# Altium PCB Hrafn.PcbDoc (part 1 of 5) (continued)
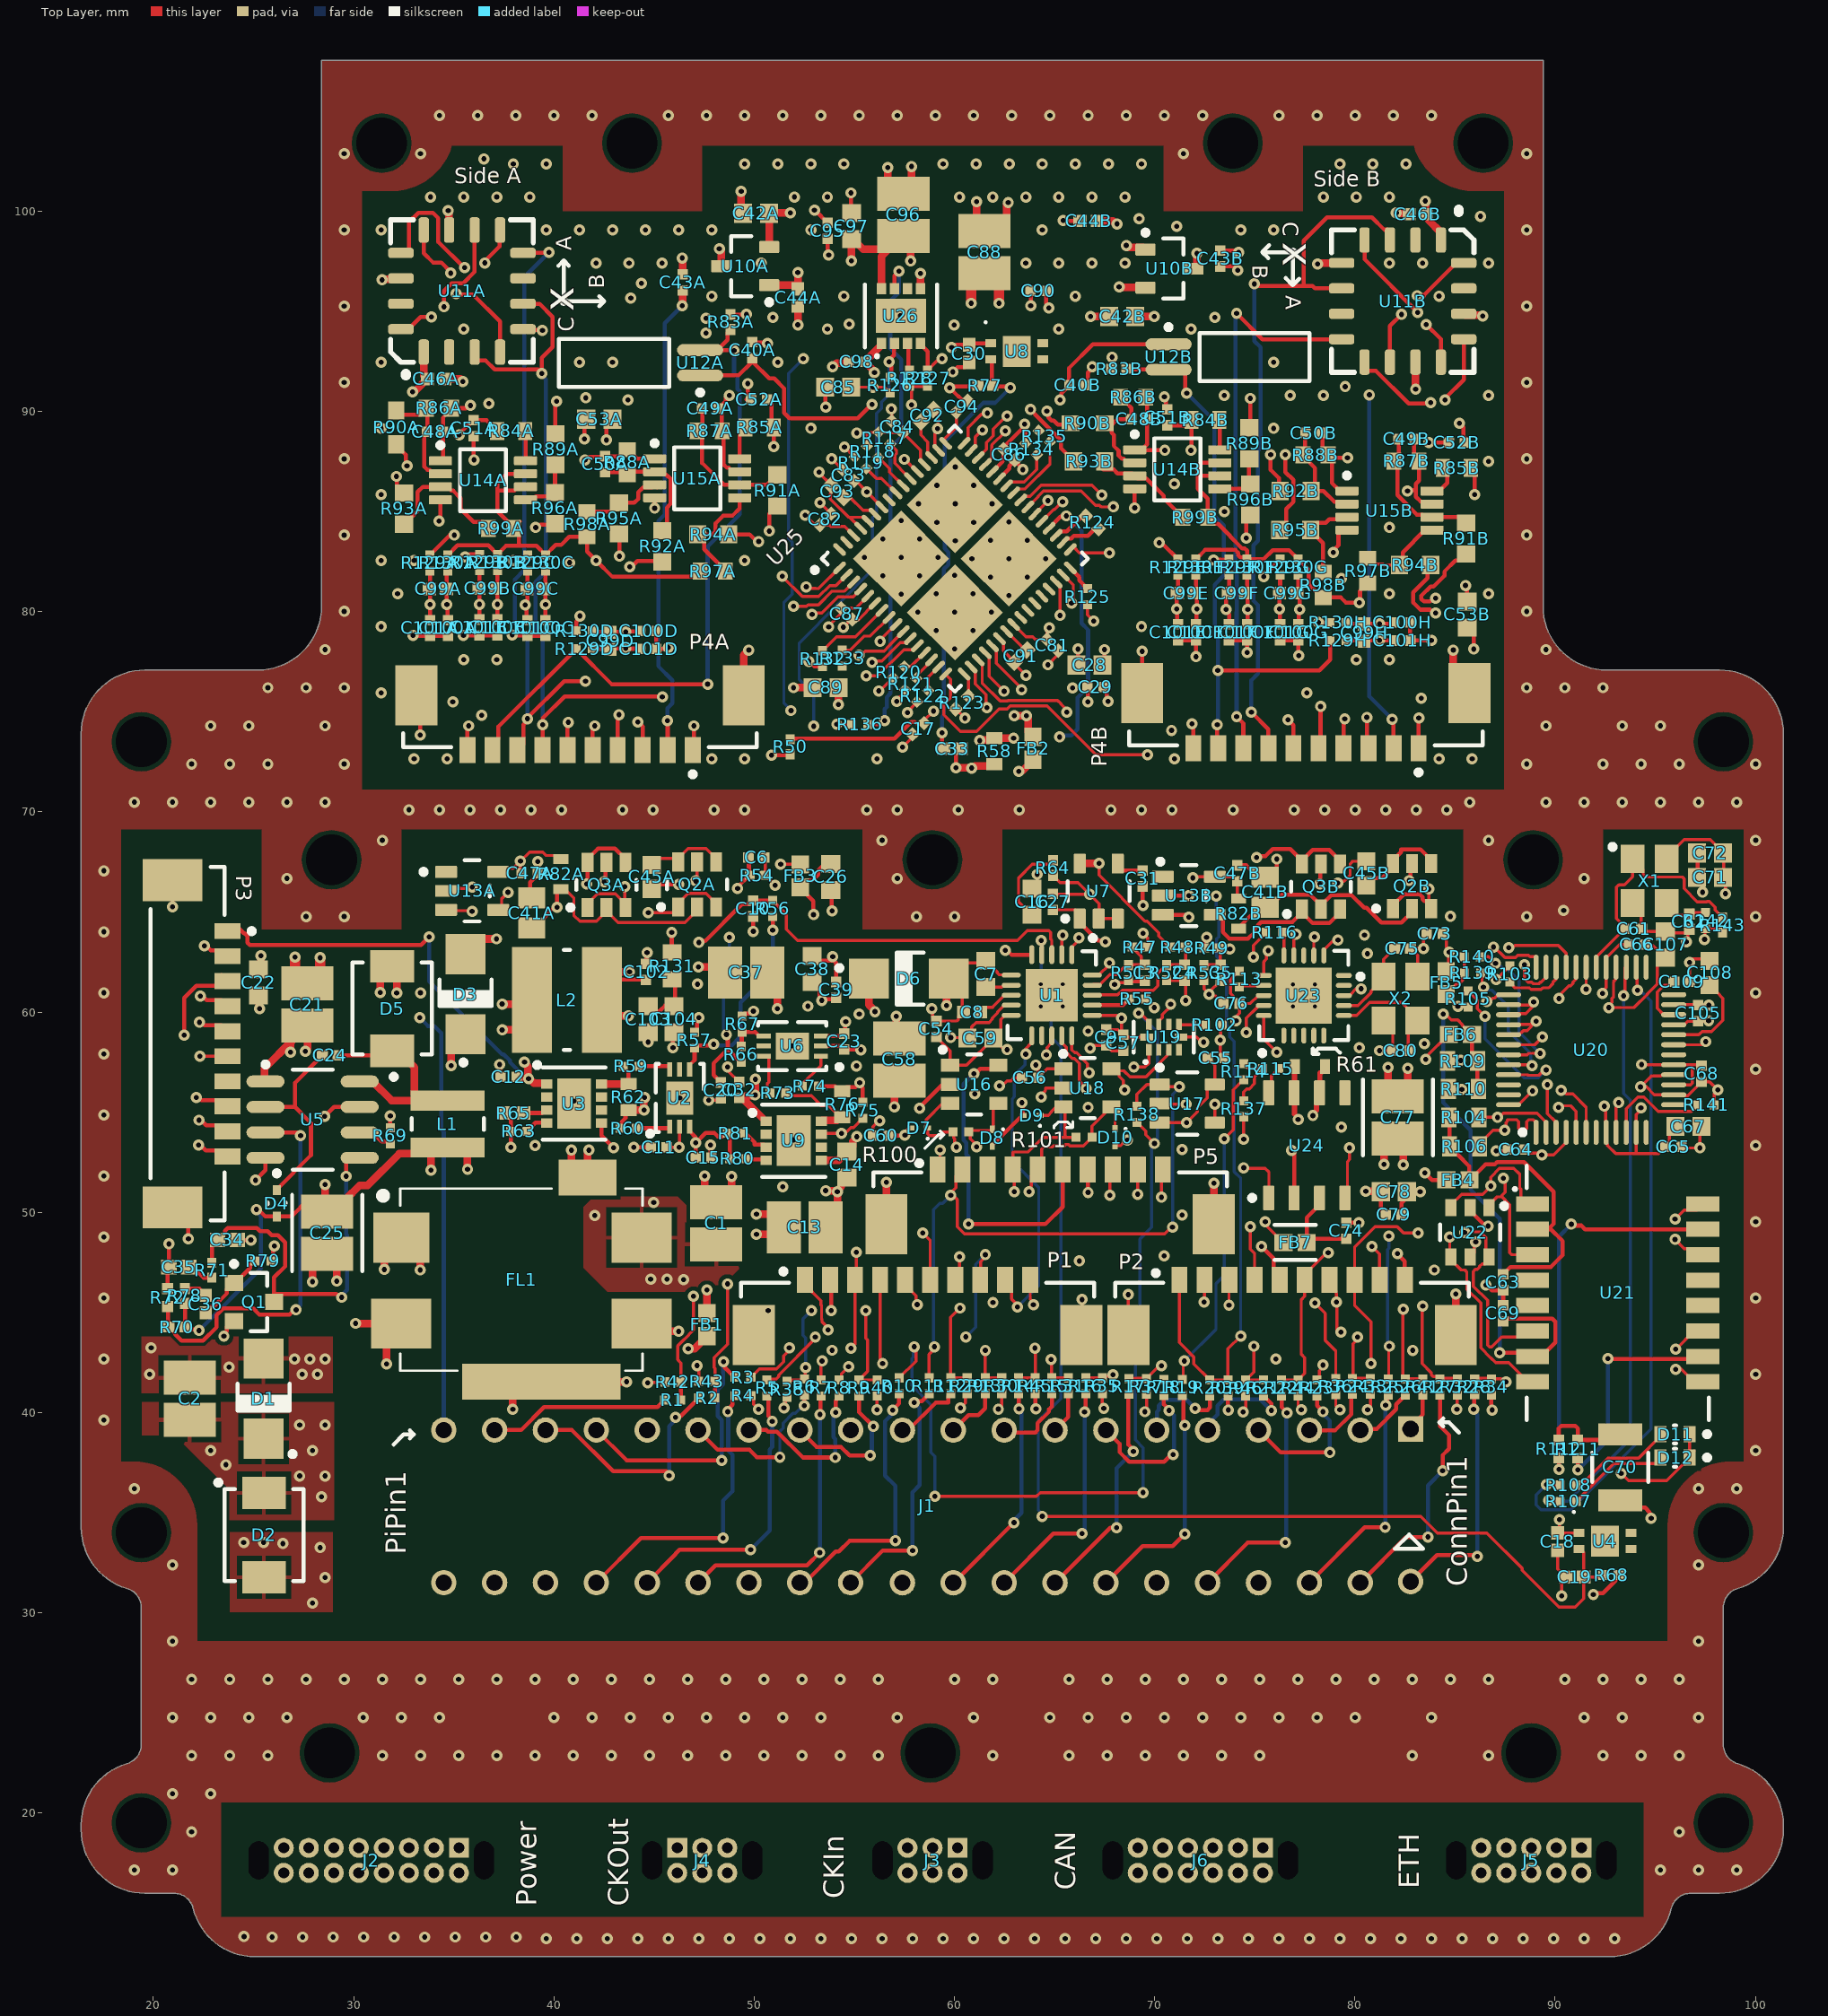
[diagram p0: Top Layer view]
## Components (designator, comment, footprint, x,y, rotation, side; value= is the part's Value field where it differs from the comment) (continued)
C44B "1 uF" CAPC1005X60X30NL05T10 66.7,99.517 r0 top (schematic designator C44)
C45A "GRM188R6YA475KE15D" FP-GRM188-0_2-IPC_C 44.882,66.751 r270 top (schematic designator C45)
C45B "GRM188R6YA475KE15D" FP-GRM188-0_2-IPC_C 80.569,66.929 r90 top (schematic designator C45)
C46A "1 uF" CAPC1005X60X30NL05T10 34.112,91.618 r180 top (schematic designator C46)
C46B "1 uF" CAPC1005X60X30NL05T10 83.134,99.847 r0 top (schematic designator C46)
C47A "0.1 uF" CAPC0402(1005)60_L 38.792,66.929 r180 top value=100nF (schematic designator C47)
C47B "0.1 uF" CAPC0402(1005)60_L 74.117,66.929 r270 top value=100nF (schematic designator C47)
C48A "C0402C471F5GACTU" FP-C0402-BB-MFG 34.067,88.981 r0 top value="470 pF" (schematic designator C48)
C48B "C0402C471F5GACTU" FP-C0402-BB-MFG 69.228,89.608 r0 top value="470 pF" (schematic designator C48)
C49A "C0402C471F5GACTU" FP-C0402-BB-MFG 47.803,90.145 r0 top value="470 pF" (schematic designator C49)
C49B "C0402C471F5GACTU" FP-C0402-BB-MFG 82.572,88.615 r0 top value="470 pF" (schematic designator C49)
C50A "C0402C471F5GACTU" FP-C0402-BB-MFG 42.556,87.36 r90 top value="470 pF" (schematic designator C50)
C50B "C0402C471F5GACTU" FP-C0402-BB-MFG 77.933,88.926 r0 top value="470 pF" (schematic designator C50)
C51A "0.1 uF" CAPC0402(1005)60_L 35.996,89.157 r90 top value=100nF (schematic designator C51)
C51B "0.1 uF" CAPC0402(1005)60_L 70.628,89.708 r270 top value=100nF (schematic designator C51)
C52A "0.1 uF" CAPC0402(1005)60_L 50.246,90.6 r0 top value=100nF (schematic designator C52)
C52B "0.1 uF" CAPC0402(1005)60_L 85.09,88.443 r0 top value=100nF (schematic designator C52)
C53A "EMK107BBJ106MA-T" CAPC1608X100X35LL20T25 42.266,89.611 r180 top (schematic designator C53)
C53B "EMK107BBJ106MA-T" CAPC1608X100X35LL20T25 85.606,79.858 r270 top (schematic designator C53)
C54 "0.1 uF" CAPC0402(1005)60_L 59.1,59.15 r270 top value=100nF
C55 "0.1 uF" CAPC0402(1005)60_L 73.05,57.709 r180 top value=100nF
C56 "0.1 uF" CAPC0402(1005)60_L 63.779,56.718 r0 top value=100nF
C57 "0.1 uF" CAPC0402(1005)60_L 68.428,58.471 r270 top value=100nF
C58 "GRT32EC81C476ME13L" FP-GRT32E-0_3-IPC_C 57.252,57.633 r270 top
C59 "EMK107BBJ106MA-T" CAPC1608X100X35LL20T25 61.29,58.699 r0 top
C60 "0.1 uF" CAPC0402(1005)60_L 56.327,53.827 r180 top value=100nF
C61 "GRM1555C1H180JA01D" CAPC1005X55X25LL05T10 93.929,64.16 r180 top
C62 "GRM1555C1H180JA01D" CAPC1005X55X25LL05T10 96.698,64.516 r270 top
C63 "0.1 uF" CAPC0402(1005)60_L 87.401,46.507 r90 top value=100nF
C64 "0.1 uF" CAPC0402(1005)60_L 88.036,53.137 r0 top value=100nF
C65 "0.1 uF" CAPC0402(1005)60_L 95.91,53.264 r180 top value=100nF
C66 "0.1 uF" CAPC0402(1005)60_L 94.082,63.373 r180 top value=100nF
C67 "EMK107BBJ106MA-T" CAPC1608X100X35LL20T25 96.647,54.28 r0 top
C68 "0.1 uF" CAPC0402(1005)60_L 97.307,56.921 r90 top value=100nF
C69 "0.1 uF" CAPC0402(1005)60_L 87.401,44.958 r270 top value=100nF
C70 "2.2nF" FP-CGA6P-MFG 93.243,37.262 r270 top
C71 "EMK107BBJ106MA-T" CAPC1608X100X35LL20T25 97.739,66.726 r180 top
C72 "EMK107BBJ106MA-T" CAPC1608X100X35LL20T25 97.739,67.945 r180 top
C73 "0.1 uF" CAPC0402(1005)60_L 83.984,63.913 r0 top value=100nF
C74 "0.1 uF" CAPC0402(1005)60_L 79.578,49.073 r270 top value=100nF
C75 "GRM1555C1H180JA01D" CAPC1005X55X25LL05T10 82.378,63.173 r180 top
C76 "0.1 uF" CAPC0402(1005)60_L 73.837,60.427 r0 top value=100nF
C77 "GRT32EC81C476ME13L" FP-GRT32E-0_3-IPC_C 82.144,54.737 r90 top
C78 "EMK107BBJ106MA-T" CAPC1608X100X35LL20T25 81.947,51.027 r180 top
C79 "0.1 uF" CAPC0402(1005)60_L 81.934,49.882 r180 top value=100nF
C80 "GRM1555C1H180JA01D" CAPC1005X55X25LL05T10 82.278,58.073 r0 top
C81 "0.1 uF" CAPC0402(1005)60_L 64.903,78.327 r135 top value=100nF
C82 "0.1 uF" CAPC0402(1005)60_L 53.563,84.604 r225 top value=100nF
C83 "0.1 uF" CAPC0402(1005)60_L 54.712,86.817 r315 top value=100nF
C84 "0.1 uF" CAPC0402(1005)60_L 57.15,89.23 r315 top value=100nF
C85 "EMK107BBJ106MA-T" CAPC1608X100X35LL20T25 54.204,91.211 r0 top
C86 "0.1 uF" CAPC0402(1005)60_L 62.731,87.838 r315 top value=100nF
C87 "0.1 uF" CAPC0402(1005)60_L 54.623,79.886 r315 top value=100nF
C88 "GRT32EC81C476ME13L" FP-GRT32E-0_3-IPC_C 61.5,97.95 r90 top
C89 "EMK107BBJ106MA-T" CAPC1608X100X35LL20T25 53.569,76.2 r180 top
C90 "0.1 uF" CAPC0402(1005)60_L 64.2,96.025 r180 top value=100nF
C91 "1 uF" CAPC1005X60X30NL05T10 63.313,77.779 r45 top
C92 "1 uF" CAPC1005X60X30NL05T10 58.649,89.789 r225 top
C93 "1 uF" CAPC1005X60X30NL05T10 54.163,86.004 r315 top
C94 "0.1 uF" CAPC0402(1005)60_L 60.376,90.246 r225 top value=100nF
C95 "0.1 uF" CAPC0402(1005)60_L 53.67,99.016 r270 top value=100nF
C96 "GRT32EC81C476ME13L" FP-GRT32E-0_3-IPC_C 57.455,99.822 r90 top
C97 "EMK107BBJ106MA-T" CAPC1608X100X35LL20T25 54.861,99.252 r270 top
C98 "0.1 uF" CAPC0402(1005)60_L 55.128,92.481 r0 top value=100nF
C99A "1 uF" CAPC1005X60X30NL05T10 34.209,81.131 r180 top (schematic designator C99)
C99B "1 uF" CAPC1005X60X30NL05T10 36.684,81.157 r180 top (schematic designator C99)
C99C "1 uF" CAPC1005X60X30NL05T10 39.084,81.131 r180 top (schematic designator C99)
C99D "1 uF" CAPC1005X60X30NL05T10 42.818,78.541 r270 top (schematic designator C99)
C99E "1 uF" CAPC1005X60X30NL05T10 71.561,80.921 r180 top (schematic designator C99)
C99F "1 uF" CAPC1005X60X30NL05T10 74.113,80.921 r180 top (schematic designator C99)
C99G "1 uF" CAPC1005X60X30NL05T10 76.666,80.921 r180 top (schematic designator C99)
C99H "1 uF" CAPC1005X60X30NL05T10 80.461,78.955 r270 top (schematic designator C99)
C100A "0.1 uF" CAPC0402(1005)60_L 34.709,79.18 r90 top value=100nF (schematic designator C100)
C100B "0.1 uF" CAPC0402(1005)60_L 37.184,79.206 r90 top value=100nF (schematic designator C100)
C100C "0.1 uF" CAPC0402(1005)60_L 39.584,79.18 r90 top value=100nF (schematic designator C100)
C100D "0.1 uF" CAPC0402(1005)60_L 44.718,79.041 r180 top value=100nF (schematic designator C100)
C100E "0.1 uF" CAPC0402(1005)60_L 72.061,78.97 r90 top value=100nF (schematic designator C100)
C100F "0.1 uF" CAPC0402(1005)60_L 74.613,78.97 r90 top value=100nF (schematic designator C100)
C100G "0.1 uF" CAPC0402(1005)60_L 77.166,78.97 r90 top value=100nF (schematic designator C100)
C100H "0.1 uF" CAPC0402(1005)60_L 82.361,79.455 r180 top value=100nF (schematic designator C100)
C101A "0.1 uF" CAPC0402(1005)60_L 33.809,79.18 r90 top value=100nF (schematic designator C101)
C101B "0.1 uF" CAPC0402(1005)60_L 36.284,79.206 r90 top value=100nF (schematic designator C101)
C101C "0.1 uF" CAPC0402(1005)60_L 38.684,79.18 r90 top value=100nF (schematic designator C101)
C101D "0.1 uF" CAPC0402(1005)60_L 44.718,78.141 r180 top value=100nF (schematic designator C101)
C101E "0.1 uF" CAPC0402(1005)60_L 71.161,78.97 r90 top value=100nF (schematic designator C101)
C101F "0.1 uF" CAPC0402(1005)60_L 73.713,78.97 r90 top value=100nF (schematic designator C101)
C101G "0.1 uF" CAPC0402(1005)60_L 76.266,78.97 r90 top value=100nF (schematic designator C101)
C101H "0.1 uF" CAPC0402(1005)60_L 82.361,78.555 r180 top value=100nF (schematic designator C101)
C102 "0.1 uF" CAPC0402(1005)60_L 44.6,62.005 r270 top value=100nF
C103 "EMK107BBJ106MA-T" CAPC1608X100X35LL20T25 44.704,59.639 r270 top
C104 "EMK107BBJ106MA-T" CAPC1608X100X35LL20T25 46,59.646 r270 top
C105 "0.1 uF" CAPC0402(1005)60_L 97.13,59.944 r270 top value=100nF
C107 "EMK107BBJ106MA-T" CAPC1608X100X35LL20T25 95.504,63.373 r90 top
C108 "GRM188R6YA475KE15D" FP-GRM188-0_2-IPC_C 97.714,61.951 r90 top
C109 "GRM155R71E103KA01D" CAPC1005X55X25LL05T10 96.317,61.519 r180 top
D1 "Vz=5.6V nom" ONSC-SMA-2-403D-02_F_V 25.502,40.691 r90 top
D2 "STPS3L60U" FP-SMB-MFG 25.525,33.875 r270 top
D3 "Vz=5.6V nom" ONSC-SMA-2-403D-02_F_V 35.581,60.892 r90 top
D4 "1N914BWT" FP-502-01-MFG 26.162,50.444 r270 top value=4pF
D5 "STPS3L60U" FP-SMB-MFG 31.925,60.175 r90 top
D6 "Vz=3.9V nom" ONSC-SMA-2-403D-02_F_V 57.725,61.675 r0 top
D7 "ESD9R3.3ST5G" ONSC-SOD-923-2-514AB-01_V 58.242,54.204 r180 top
D8 "ESD9R3.3ST5G" ONSC-SOD-923-2-514AB-01_V 61.9,53.721 r270 top
D9 "ESD9R3.3ST5G" ONSC-SOD-923-2-514AB-01_V 63.856,54.839 r180 top
D10 "ESD9R3.3ST5G" ONSC-SOD-923-2-514AB-01_V 68.021,53.746 r270 top
D11 "TLMP1100-GS08" FP-6_541-5056_01-4-MFG 95.987,38.913 r180 top
D12 "TLMP1100-GS08" FP-6_541-5056_01-4-MFG 95.987,37.744 r180 top
FB1 "BLM18PG121SH1D" FP-BLM18-0_15-t0_8-IPC_C 47.641,44.392 r270 top
FB2 "BLM18PG121SH1D" FP-BLM18-0_15-t0_8-IPC_C 63.925,73.175 r270 top
FB3 "BLM18PG121SH1D" FP-BLM18-0_15-t0_8-IPC_C 52.3,66.8 r270 top
FB4 "BLM18PG121SH1D" FP-BLM18-0_15-t0_8-IPC_C 85.141,51.613 r180 top
FB5 "BLM18PG121SH1D" FP-BLM18-0_15-t0_8-IPC_C 84.557,61.468 r90 top
FB6 "BLM18PG121SH1D" FP-BLM18-0_15-t0_8-IPC_C 85.268,58.877 r180 top
FB7 "BLM18PG121SH1D" FP-BLM18-0_15-t0_8-IPC_C 77.013,48.489 r0 top
FL1 "BNX028-01L" "FIL_BNX028-01L - small" 38.379,46.634 r0 top
J1 "PiZero" DIP40 34.5,31.5 r90 top
J2 "Gecko_16" GECK16 35.258,18.253 r270 top
J3 "Gecko_6_M" GECK6_M 60.158,18.253 r270 top
J4 "Gecko_6_F" GECK6_F 46.158,17.003 r90 top
J5 "Gecko_10" GECK10-dup 91.308,18.253 r270 top
J6 "Gecko_12" GECK12 75.408,18.253 r270 top
L1 "L" 78438357022 34.696,54.407 r180 top
L2 "74404300047" WE-TPC-4828-MH 40.65,60.605 r0 top
P1 "53398-1071" MOLX-53398-1071_V 58.162,44.877 r180 top
P2 "53398-1071" MOLX-53398-1071_V 76.862,44.877 r180 top
P3 "53398-1071" MOLX-53398-1071_V 21.955,58.416 r90 top
P4A "53398-1071" MOLX-53398-1071_V 41.307,74.826 r0 top (schematic designator P4)
P4B "53398-1071" MOLX-53398-1071_V 77.553,74.922 r0 top (schematic designator P4)
P5 "53398-1071" MOLX-53398-1071_V 64.782,50.396 r180 top
Q1 "MMBT2222ALT3G" ONSC-SOT-23-3-318-08_V 25.025,45.519 r0 top
Q2A "NTGD4167CT1G" ONSC-TSOP-6-318G-02_V 47.151,66.371 r90 top (schematic designator Q2)
Q2B "NTGD4167CT1G" ONSC-TSOP-6-318G-02_V 82.855,66.294 r90 top (schematic designator Q2)
Q3A "NTGD4167CT1G" ONSC-TSOP-6-318G-02_V 42.627,66.345 r90 top (schematic designator Q3)
Q3B "NTGD4167CT1G" ONSC-TSOP-6-318G-02_V 78.305,66.267 r90 top (schematic designator Q3)
R1 "220 Ω" RESC1005X40X25LL05T05 45.927,40.627 r180 top
R2 "220 Ω" RESC1005X40X25LL05T05 47.637,40.727 r180 top
R3 "220 Ω" RESC1005X40X25LL05T05 49.437,41.752 r180 top
R4 "220 Ω" RESC1005X40X25LL05T05 49.437,40.852 r0 top
R5 "220 Ω" RESC1005X40X25LL05T05 50.637,41.227 r90 top
R6 "220 Ω" RESC1005X40X25LL05T05 52.512,41.276 r270 top
R7 "220 Ω" RESC1005X40X25LL05T05 53.337,41.227 r90 top
R8 "220 Ω" RESC1005X40X25LL05T05 54.237,41.227 r270 top
R9 "220 Ω" RESC1005X40X25LL05T05 55.237,41.227 r270 top
R10 "220 Ω" RESC1005X40X25LL05T05 57.237,41.327 r90 top
R11 "220 Ω" RESC1005X40X25LL05T05 58.737,41.327 r90 top
R12 "220 Ω" RESC1005X40X25LL05T05 59.812,41.327 r270 top
R13 "220 Ω" RESC1005X40X25LL05T05 61.537,41.327 r270 top
R14 "220 Ω" RESC1005X40X25LL05T05 63.212,41.327 r90 top
R15 "220 Ω" RESC1005X40X25LL05T05 64.862,41.327 r270 top
R16 "220 Ω" RESC1005X40X25LL05T05 66.562,41.327 r90 top
R17 "220 Ω" RESC1005X40X25LL05T05 68.707,41.3 r90 top
R18 "220 Ω" RESC1005X40X25LL05T05 70.46,41.25 r270 top
R19 "220 Ω" RESC1005X40X25LL05T05 71.374,41.25 r90 top
R20 "220 Ω" RESC1005X40X25LL05T05 72.758,41.227 r270 top
R21 "220 Ω" RESC1005X40X25LL05T05 75.437,41.227 r270 top
R22 "220 Ω" RESC1005X40X25LL05T05 76.337,41.227 r90 top
R23 "220 Ω" RESC1005X40X25LL05T05 78.112,41.227 r270 top
R24 "220 Ω" RESC1005X40X25LL05T05 79.883,41.3 r270 top
R25 "220 Ω" RESC1005X40X25LL05T05 81.661,41.275 r90 top
R26 "220 Ω" RESC1005X40X25LL05T05 82.525,41.275 r270 top
R27 "220 Ω" RESC1005X40X25LL05T05 84.252,41.275 r90 top
R28 "220 Ω" RESC1005X40X25LL05T05 85.979,41.281 r90 top
R29 "22kΩ" RESC1005X40X25LL05T05 60.637,41.327 r270 top
R30 "22kΩ" RESC1005X40X25LL05T05 62.362,41.327 r270 top
R31 "22kΩ" RESC1005X40X25LL05T05 65.688,41.327 r90 top
R32 "22kΩ" RESC1005X40X25LL05T05 85.115,41.275 r270 top
R33 "22kΩ" RESC1005X40X25LL05T05 80.772,41.3 r270 top
R34 "22kΩ" RESC1005X40X25LL05T05 86.817,41.275 r90 top
R35 "22kΩ" RESC1005X40X25LL05T05 67.388,41.327 r270 top
R36 "22kΩ" RESC1005X40X25LL05T05 79.045,41.294 r270 top
R37 "22kΩ" RESC1005X40X25LL05T05 69.596,41.3 r270 top
R38 "22kΩ" RESC1005X40X25LL05T05 51.65,41.15 r270 top
R39 "22kΩ" RESC1005X40X25LL05T05 73.658,41.227 r90 top
R40 "22kΩ" RESC1005X40X25LL05T05 56.137,41.227 r270 top
R41 "22kΩ" RESC1005X40X25LL05T05 83.388,41.275 r90 top
R42 "22kΩ" RESC1005X40X25LL05T05 45.937,41.527 r180 top
R43 "22kΩ" RESC1005X40X25LL05T05 47.637,41.552 r180 top
R44 "22kΩ" RESC1005X40X25LL05T05 77.162,41.227 r270 top
R45 "22kΩ" RESC1005X40X25LL05T05 64.037,41.327 r90 top
R46 "22kΩ" RESC1005X40X25LL05T05 74.549,41.218 r270 top
R47 "RC0402FR-0720KL" RESC1005X40X25LL05T10 69.266,63.246 r0 top
R48 "RC0402FR-0720KL" RESC1005X40X25LL05T10 71.145,63.246 r180 top
R49 "RC0402FR-0720KL" RESC1005X40X25LL05T10 72.847,63.195 r180 top
R50 "RC0402FR-0720KL" RESC1005X40X25LL05T10 51.8,73.25 r90 top
R51 "CRCW040210K0FKEDHP" RESC1005X40X25LL05T10 68.691,61.969 r90 top
R52 "CRCW040210K0FKEDHP" RESC1005X40X25LL05T10 70.591,61.969 r90 top
R53 "CRCW040210K0FKEDHP" RESC1005X40X25LL05T10 72.466,61.969 r90 top
R54 "CRCW040210K0FKEDHP" RESC1005X40X25LL05T10 50.15,66.825 r180 top
R55 "22kΩ" RESC1005X40X25LL05T05 69.139,60.655 r0 top
R56 "4.99K" RESC1005X40X25LL05T05 50.925,65.175 r90 top
R57 "4.99K" RESC1005X40X25LL05T05 47.025,58.6 r90 top
R58 "AC0603JR-070RL" RESC1608X55X25LL10T15 62,73.025 r270 top
R59 "ERJ-2RKF1000X" RESC1005X40X25LL05T05 43.858,57.296 r0 top
R60 "ERJ-2RKF1000X" RESC1005X40X25LL05T05 43.705,54.197 r0 top
R61 "R" RESC1608X08L 77.749,57.277 r180 top
R62 "20m" RESC1608X55X25LL10T15 43.73,55.746 r270 top
R63 "22kΩ" RESC1005X40X25LL05T05 38.244,54.044 r0 top
R64 "0.5" RESC1005X40X25LL10T10 64.925,67.2 r90 top
R65 "CRCW0402274KFKED" FP-CRCW0402-e3-IPC_A 37.99,54.959 r0 top
R66 "4.99K" RESC1005X40X25LL05T05 49.352,57.887 r270 top
R67 "4.99K" RESC1005X40X25LL05T05 49.405,59.401 r90 top
R68 "2 kΩ 0.1%" RESC1005X40X25LL10T10 92.812,31.877 r180 top
R69 "220 Ω" RESC1005X40X25LL05T05 31.83,53.82 r270 top
R70 "1.74 kΩ" RESC1005X40X25NL05T10 21.189,44.268 r0 top
R71 "CRCW040210K0FKEDHP" RESC1005X40X25LL05T10 22.919,47.103 r90 top
R72 "1 KOhm" RESC1005X40X25NL05T05 20.706,45.741 r270 top
R73 "ERJ-2RKF1000X" RESC1005X40X25LL05T05 51.181,55.956 r180 top
R74 "ERJ-2RKF1000X" RESC1005X40X25LL05T05 52.805,56.301 r180 top
R75 "CRCW0402100KJNED" RESC1005X40X25LL05T05 55.423,55.093 r90 top
R76 "20m" RESC1608X55X25LL10T15 54.405,55.401 r90 top
R77 "2 kΩ 0.1%" RESC1005X40X25LL10T10 61.544,91.288 r0 top
R78 "2 kΩ 0.1%" RESC1005X40X25LL10T10 21.57,45.817 r90 top
R79 "22kΩ" RESC1005X40X25LL05T05 25.475,47.569 r180 top
R80 "22kΩ" RESC1005X40X25LL05T05 49.174,52.68 r0 top
R81 "ERJ2RKF4703X" RESC1005X40X25LL05T05 49.073,53.95 r0 top
R82A "R" RESC1608X08L 40.352,66.895 r90 top (schematic designator R82)
R82B "R" RESC1608X08L 74.193,64.922 r90 top (schematic designator R82)
R83A "2 kΩ 0.1%" RESC1005X40X25LL10T10 48.819,94.463 r270 top (schematic designator R83)
R83B "2 kΩ 0.1%" RESC1005X40X25LL10T10 68.224,92.126 r0 top (schematic designator R83)
R84A "0" RESC1608X55X25NL10T15 37.866,89.021 r180 top (schematic designator R84)
R84B "0" RESC1608X55X25NL10T15 72.538,89.569 r180 top (schematic designator R84)
R85A "0" RESC1608X55X25NL10T15 50.272,89.203 r0 top (schematic designator R85)
R85B "0" RESC1608X55X25NL10T15 85.09,87.173 r0 top (schematic designator R85)
R86A "249KΩ" RESC1609X55X30LL10T20 34.256,90.16 r0 top (schematic designator R86)
R86B "249KΩ" RESC1609X55X30LL10T20 68.928,90.708 r0 top (schematic designator R86)
R87A "249KΩ" RESC1609X55X30LL10T20 47.777,89.027 r0 top (schematic designator R87)
R87B "249KΩ" RESC1609X55X30LL10T20 82.572,87.515 r0 top (schematic designator R87)
R88A "249KΩ" RESC1609X55X30LL10T20 43.656,87.46 r90 top (schematic designator R88)
R88B "249KΩ" RESC1609X55X30LL10T20 78.033,87.826 r0 top (schematic designator R88)
R89A "4.99KΩ" FP-RT0603-IPC_B 40.081,88.113 r90 top (schematic designator R89)
R89B "4.99KΩ" FP-RT0603-IPC_B 74.728,88.408 r90 top (schematic designator R89)
R90A "4.99KΩ" FP-RT0603-MFG 32.131,89.205 r90 top (schematic designator R90)
R90B "4.99KΩ" FP-RT0603-MFG 66.65,89.408 r0 top (schematic designator R90)
R91A "4.99KΩ" FP-RT0603-IPC_B 51.156,86.055 r90 top (schematic designator R91)
R91B "4.99KΩ" FP-RT0603-IPC_B 85.552,83.649 r90 top (schematic designator R91)
R92A "4.99KΩ" FP-RT0603-IPC_B 45.415,83.261 r90 top (schematic designator R92)
R92B "4.99KΩ" FP-RT0603-IPC_B 77.038,86.03 r0 top (schematic designator R92)
R93A "4.99KΩ" FP-RT0603-IPC_B 32.512,85.141 r270 top (schematic designator R93)
R93B "4.99KΩ" FP-RT0603-IPC_B 66.726,87.503 r0 top (schematic designator R93)
R94A "4.99KΩ" FP-RT0603-IPC_B 47.956,83.86 r180 top (schematic designator R94)
R94B "4.99KΩ" FP-RT0603-IPC_B 83.007,82.321 r180 top (schematic designator R94)
R95A "4.99KΩ" FP-RT0603-IPC_B 43.256,84.66 r90 top (schematic designator R95)
R95B "4.99KΩ" FP-RT0603-IPC_B 77.013,84.074 r0 top (schematic designator R95)
R96A "4.99KΩ" FP-RT0603-IPC_B 40.056,85.166 r90 top (schematic designator R96)
R96B "4.99KΩ" FP-RT0603-IPC_B 74.778,85.598 r90 top (schematic designator R96)
R97A "249KΩ" RESC1609X55X30LL10T20 47.93,82.017 r0 top (schematic designator R97)
R97B "249KΩ" RESC1609X55X30LL10T20 80.645,82.042 r90 top (schematic designator R97)
R98A "249KΩ" RESC1609X55X30LL10T20 41.656,84.36 r90 top (schematic designator R98)
R98B "249KΩ" RESC1609X55X30LL10T20 78.41,81.331 r90 top (schematic designator R98)
R99A "249KΩ" RESC1609X55X30LL10T20 37.356,84.16 r180 top (schematic designator R99)
R99B "249KΩ" RESC1609X55X30LL10T20 72.028,84.708 r180 top (schematic designator R99)
R100 "100 Ohm" RESC1005X40X25LL05T05 60.325,54.026 r180 top
R101 "100 Ohm" RESC1005X40X25LL05T05 66.472,53.746 r180 top
R102 "220 Ω" RESC1005X40X25LL05T05 72.974,59.36 r180 top
R103 "220 Ω" RESC1005X40X25LL05T05 87.732,61.9 r270 top
R104 "CRCW060350R0FKEA" FP-CRCW0603-e3-MFG 85.446,54.737 r180 top
R105 "220 Ω" RESC1005X40X25LL05T05 85.649,60.655 r90 top
R106 "CRCW060350R0FKEA" FP-CRCW0603-e3-MFG 85.471,53.289 r180 top
R107 "ERJ-2GEJ102X" RESC1005X40X25LL05T05 90.653,35.56 r0 top
R108 "ERJ-2GEJ102X" RESC1005X40X25LL05T05 90.653,36.373 r0 top
R109 "CRCW060350R0FKEA" FP-CRCW0603-e3-MFG 85.369,57.556 r0 top
R110 "CRCW060350R0FKEA" FP-CRCW0603-e3-MFG 85.42,56.159 r0 top
R111 "75 Ω" RESC1005X40X25NL05T05 91.125,38.174 r270 top
R112 "75 Ω" RESC1005X40X25NL05T05 90.179,38.177 r270 top
R113 "220 Ω" RESC1005X40X25LL05T05 74.219,61.646 r270 top
R114 "ERJ2GE0R00X" RESC1005X40X25LL05T05 74.447,57.023 r270 top
R115 "22kΩ" RESC1005X40X25LL05T05 75.794,57.175 r180 top
R116 "220 Ω" RESC1005X40X25LL05T05 75.978,63.983 r0 top
R117 "220 Ω" RESC1005X40X25LL05T05 56.503,88.667 r135 top
R118 "220 Ω" RESC1005X40X25LL05T05 55.917,87.99 r135 top
R119 "220 Ω" RESC1005X40X25LL05T05 55.317,87.44 r135 top
R120 "220 Ω" RESC1005X40X25LL05T05 57.213,76.979 r225 top
R121 "220 Ω" RESC1005X40X25LL05T05 57.813,76.379 r225 top
R122 "220 Ω" RESC1005X40X25LL05T05 58.413,75.779 r225 top
R123 "220 Ω" RESC1005X40X25NL05T05 60.378,75.452 r225 top
R124 "220 Ω" RESC1005X40X25NL05T05 66.878,84.455 r315 top
R125 "220 Ω" RESC1005X40X25LL05T05 66.65,80.747 r90 top
R126 "CRCW0402100KJNED" RESC1005X40X25LL05T05 56.794,91.313 r270 top
R127 "22kΩ" RESC1005X40X25LL05T05 58.661,91.652 r90 top
R128 "ERJ2RKF5603X" RESC1005X40X25LL05T05 57.761,91.652 r90 top
R129A "CRCW04023K30JNED" RESC1005X40X25LL05T05 33.809,82.431 r270 top (schematic designator R129)
R129B "CRCW04023K30JNED" RESC1005X40X25LL05T05 36.284,82.457 r270 top (schematic designator R129)
R129C "CRCW04023K30JNED" RESC1005X40X25LL05T05 38.684,82.431 r270 top (schematic designator R129)
R129D "CRCW04023K30JNED" RESC1005X40X25LL05T05 41.518,78.141 r0 top (schematic designator R129)
R129E "CRCW04023K30JNED" RESC1005X40X25LL05T05 71.161,82.221 r270 top (schematic designator R129)
R129F "CRCW04023K30JNED" RESC1005X40X25LL05T05 73.713,82.221 r270 top (schematic designator R129)
R129G "CRCW04023K30JNED" RESC1005X40X25LL05T05 76.266,82.221 r270 top (schematic designator R129)
R129H "CRCW04023K30JNED" RESC1005X40X25LL05T05 79.161,78.555 r0 top (schematic designator R129)
R130A "CRCW04023K30JNED" RESC1005X40X25LL05T05 34.709,82.431 r270 top (schematic designator R130)
R130B "CRCW04023K30JNED" RESC1005X40X25LL05T05 37.184,82.457 r270 top (schematic designator R130)
R130C "CRCW04023K30JNED" RESC1005X40X25LL05T05 39.584,82.431 r270 top (schematic designator R130)
R130D "CRCW04023K30JNED" RESC1005X40X25LL05T05 41.518,79.041 r0 top (schematic designator R130)
R130E "CRCW04023K30JNED" RESC1005X40X25LL05T05 72.061,82.221 r270 top (schematic designator R130)
R130F "CRCW04023K30JNED" RESC1005X40X25LL05T05 74.613,82.221 r270 top (schematic designator R130)
R130G "CRCW04023K30JNED" RESC1005X40X25LL05T05 77.166,82.221 r270 top (schematic designator R130)
R130H "CRCW04023K30JNED" RESC1005X40X25LL05T05 79.161,79.455 r0 top (schematic designator R130)
R131 "0.22 Ω" RESC1608X55X30NL15T15 45.9,62.305 r270 top
R132 "ERJ2GE0R00X" RESC1005X40X25LL05T05 53.416,77.648 r90 top
R133 "ERJ2GE0R00X" RESC1005X40X25LL05T05 54.407,77.673 r90 top
R134 "ERJ2GE0R00X" RESC1005X40X25LL05T05 63.83,88.113 r315 top
R135 "ERJ2GE0R00X" RESC1005X40X25LL05T05 64.487,88.751 r315 top
R136 "CRCW0402100KJNED" RESC1005X40X25LL05T05 55.277,74.371 r180 top
R137 "ERJ2GE0R00X" RESC1005X40X25LL05T05 74.447,55.169 r90 top
R138 "ERJ2GE0R00X" RESC1005X40X25LL05T05 69.113,54.889 r90 top
R139 "220 Ω" RESC1005X40X25LL05T05 85.877,61.951 r0 top
R140 "220 Ω" RESC1005X40X25LL05T05 85.852,62.763 r0 top
R141 "ERJ-2RKF1212X" RESC1005X40X25LL05T05 97.536,55.372 r180 top
R142 "ERJ2GE0R00X" RESC1005X40X25LL05T05 97.511,64.567 r90 top
R143 "AC0402FR-071ML" RESC1005X37X25LL05T10 98.349,64.338 r270 top
U1 "AD7298BCPZ" CP-20-8_M 64.862,60.84 r270 top
U2 "LT6105" LT6105 46.279,55.702 r90 top
U3 "FPF2701MPX" FP-511DD-MFG 41.009,55.429 r0 top
U4 "AD590J" DFN260P300X75-4N 92.486,33.581 r0 top
U5 "LT1959CS8#PBF" LT-S8-8_L 27.95,54.625 r0 top
U6 "LT6105" LT6105 51.905,58.301 r180 top
U7 "TPS79133DBVR" DBV0005A_N 67.208,66.04 r90 top
U8 "AD590J" DFN260P300X75-4N 63.116,93.001 r0 top
U9 "FPF2701MPX" FP-511DD-MFG 51.975,53.576 r0 top
U10A "REF3040AIDBZT" DBZ0003A_N 49.549,97.257 r180 top (schematic designator U10)
U10B "REF3040AIDBZT" DBZ0003A_N 70.739,97.13 r0 top (schematic designator U10)
U11A "HMC1053" LCC16 33.503,92.964 r90 top (schematic designator U11)
U11B "HMC1053" LCC16 84.291,98.559 r270 top (schematic designator U11)
U12A "AD590L/M" 2-FLATPAK 43.002,92.431 r180 top (schematic designator U12)
U12B "AD590L/M" 2-FLATPAK 74.993,92.722 r0 top (schematic designator U12)
U13A "SN74AHC1G04DBVR" FP-DBV0005A-MFG 35.916,66.051 r0 top (schematic designator U13)
U13B "SN74AHC1G04DBVR" FP-DBV0005A-MFG 71.704,65.811 r0 top (schematic designator U13)
U14A "LMP2022MM/NOPB" DGK0008A_L 36.456,86.56 r0 top (schematic designator U14)
U14B "LMP2022MM/NOPB" DGK0008A_L 71.128,87.108 r0 top (schematic designator U14)
U15A "LMP2022MM/NOPB" DGK0008A_L 47.156,86.66 r0 top (schematic designator U15)
U15B "LMP2022MM/NOPB" DGK0008A_L 81.727,85.049 r0 top (schematic designator U15)
U16 "DS90LT012AQMFE/NOPB" MF05A_L 60.985,56.388 r0 top
U17 "TPS3820-33DBVT" DBV0005A_N 71.627,55.427 r0 top
U18 "DS90LT012AQMFE/NOPB" MF05A_L 66.65,56.21 r0 top
U19 "TMUX136RSER" FP-RSE0010A-MFG 70.46,58.75 r90 top
U20 "W5500" TSQFP50P900X900X160-48L 91.796,58.115 r90 top
U21 "HX1188FNL" PULS-HX1188FNL-SMT-16_V 93.123,45.974 r270 top
U22 "CM1224-04SO" ONSC-SOT23-6-527AJ_V 85.75,48.997 r270 top
U23 "MCP2515T-I/ML" QFN-ML20_N 77.447,60.827 r90 top
U24 "SN65HVD230DR" D0008A_L 77.597,53.34 r90 top
U25 "AD7779" AD7779 60.025,82.645 r45 top
U26 "FPF2701MPX" FP-511DD-MFG 57.328,94.767 r90 top
X1 "ABM8G-25.000MHZ-18-D2Y-T" ABRA-ABM8G_V 94.717,66.548 r270 top
X2 "ABM8G-25.000MHZ-18-D2Y-T" ABRA-ABM8G_V 82.278,60.673 r270 top

## Footprints (in the part's own frame and the unit in brackets; to place one, negate y for a bottom-side part, rotate by r counter-clockwise, add the part's x,y. Pads: shape width x height; smd on the part's side, far side on the other; paste and mask are expansions set on the pad)
2-FLATPAK [mm] "CFP, 4-Leads, Body 2.36x6.10mm (max), Pitch 1.27mm, IPC Medium Density"
  oval 2.3x0.6 smd: 1(-4.3,0.635) 2(-4.3,-0.635)
  silkscreen extent -4.43,-1.2 2.75,1.61, body extent -3.05,-1.18 3.05,1.18, height 1.27
78438357022 [mm]
  rect 3.7x1 smd: 0(0,-1.175) 1(0,1.175)
  silkscreen extent -1.8,-0.3 1.8,0.3, body extent -2.05,-2.05 2.05,2.02, height 2.45
ABRA-ABM8G_V [mm] "SMD, 4-Leads, Body 2.5x3.2mm, Pitch 2.2mm"
  rect 1.4x1.2 smd: 1(-1.1,-0.85) 2(1.1,-0.85) 3(1.1,0.85) 4(-1.1,0.85)
  silkscreen extent -1.83,-1.98 -1.58,-1.73, body extent -1.6,-1.24 1.6,1.24, height 0.99
AD7779 [mm] "QFN, 64-Leads, Body 9.00x9.00mm, Pitch 0.50mm, Thermal Pad 7.55x7.55mm, IPC Medium Density"
  rect 3.4x3.4 smd: 0(-1.9,1.9) 0(-1.9,-1.9) 0(1.9,-1.9) 0(1.9,1.9)
  oval 0.8x0.25 smd: 1(-4.4,3.75) 2(-4.4,3.25) 3(-4.4,2.75) 4(-4.4,2.25) 5(-4.4,1.75) 6(-4.4,1.25) 7(-4.4,0.75) 8(-4.4,0.25) 9(-4.4,-0.25) 10(-4.4,-0.75) 11(-4.4,-1.25) 12(-4.4,-1.75) 13(-4.4,-2.25) 14(-4.4,-2.75) 15(-4.4,-3.25) 16(-4.4,-3.75) 33(4.4,-3.75) 34(4.4,-3.25) 35(4.4,-2.75) 36(4.4,-2.25) 37(4.4,-1.75) 38(4.4,-1.25) 39(4.4,-0.75) 40(4.4,-0.25) 41(4.4,0.25) 42(4.4,0.75) 43(4.4,1.25) 44(4.4,1.75) 45(4.4,2.25) 46(4.4,2.75) 47(4.4,3.25) 48(4.4,3.75)
  oval 0.25x0.8 smd: 17(-3.75,-4.4) 18(-3.25,-4.4) 19(-2.75,-4.4) 20(-2.25,-4.4) 21(-1.75,-4.4) 22(-1.25,-4.4) 23(-0.75,-4.4) 24(-0.25,-4.4) 25(0.25,-4.4) 26(0.75,-4.4) 27(1.25,-4.4) 28(1.75,-4.4) 29(2.25,-4.4) 30(2.75,-4.4) 31(3.25,-4.4) 32(3.75,-4.4) 49(3.75,4.4) 50(3.25,4.4) 51(2.75,4.4) 52(2.25,4.4) 53(1.75,4.4) 54(1.25,4.4) 55(0.75,4.4) 56(0.25,4.4) 57(-0.25,4.4) 58(-0.75,4.4) 59(-1.25,4.4) 60(-1.75,4.4) 61(-2.25,4.4) 62(-2.75,4.4) 63(-3.25,4.4) 64(-3.75,4.4)
  silkscreen extent -5.47,-4.7 4.7,4.7, body extent -4.55,-4.55 4.55,4.55, height 0.8
CAPC0402(1005)60_L [mm] "Chip Capacitor, Body 1.0x0.5mm, Height 0.6mm, IPC High Density"
  rect 0.52x0.52 smd: 1(-0.4,0) 2(0.4,0)
  body extent -0.55,-0.3 0.55,0.3, height 0.6
CAPC1005X55X25LL05T10 [mm] "Chip Capacitor, 2-Leads, Body 1.00x0.50mm, IPC High Density"
  rect 0.56x0.52 smd: 1(-0.39,0) 2(0.39,0)
  body extent -0.53,-0.28 0.53,0.28, height 0.55
CAPC1005X55X25ML05T10 [mm] "Chip Capacitor, 2-Leads, Body 1.00x0.50mm, IPC Low Density"
  rect 0.76x0.72 smd: 1(-0.49,0) 2(0.49,0)
  body extent -0.53,-0.28 0.53,0.27, height 0.55
CAPC1005X55X25NL05T10 [mm] "Chip Capacitor, 2-Leads, Body 1.00x0.50mm, IPC Medium Density"
  rect 0.66x0.62 smd: 1(-0.44,0) 2(0.44,0)
  body extent -0.53,-0.28 0.53,0.27, height 0.55
CAPC1005X56X25ML10T15 [mm] "Chip Capacitor, 2-Leads, Body 1.00x0.50mm, IPC Low Density"
  rect 0.78x0.74 smd: 1(-0.49,0) 2(0.49,0)
  body extent -0.55,-0.3 0.55,0.3, height 0.56
CAPC1005X56X25NL10T15 [mm] "Chip Capacitor, 2-Leads, Body 1.00x0.50mm, IPC Medium Density"
  rect 0.68x0.64 smd: 1(-0.44,0) 2(0.44,0)
  body extent -0.55,-0.3 0.55,0.3, height 0.56
CAPC1005X60X30NL05T10 [mm] "Chip Capacitor, 2-Leads, Body 1.00x0.50mm, IPC Medium Density"
  rect 0.66x0.62 smd: 1(-0.43,0) 2(0.43,0)
  body extent -0.53,-0.28 0.53,0.27, height 0.6
CAPC1608X100X35LL20T25 [mm] "Chip Capacitor, 2-Leads, Body 1.80x1.00mm, IPC High Density"
  rect 0.9x0.95 smd: 1(-0.65,0) 2(0.65,0)
  body extent -0.9,-0.5 0.9,0.5, height 1
CAPC2013X95X45LL15T25 [mm] "Chip Capacitor, 2-Leads, Body 2.00x1.25mm, IPC High Density"
  rect 1.05x1.35 smd: 1(-0.75,0) 2(0.75,0)
  body extent -1.08,-0.7 1.07,0.7, height 0.95
CP-20-8_M [mm] "QFN, 20-Leads, Body 4x4mm, Pitch 0.5mm, Thermal Pad 2.6x2.6mm, IPC Low Density"
  oval 0.95x0.25 smd: 1(-2.025,1) 2(-2.025,0.5) 3(-2.025,0) 4(-2.025,-0.5) 5(-2.025,-1) 11(2.025,-1) 12(2.025,-0.5) 13(2.025,0) 14(2.025,0.5) 15(2.025,1)
  oval 0.25x0.95 smd: 6(-1,-2.025) 7(-0.5,-2.025) 8(0,-2.025) 9(0.5,-2.025) 10(1,-2.025) 16(1,2.025) 17(0.5,2.025) 18(0,2.025) 19(-0.5,2.025) 20(-1,2.025)
  rect 2.6x2.6 smd: 21(0,0)
  silkscreen extent -2.97,-2.2 2.2,2.2, body extent -2.05,-2.05 2.05,2.05, height 0.8
D0008A_L [mm] "SOIC, 8-Leads, Body 5x4mm, Pitch 1.27mm, IPC High Density"
  rrect18% 1.25x0.55 smd: 1(-2.625,1.905) 2(-2.625,0.635) 3(-2.625,-0.635) 4(-2.625,-1.905) 5(2.625,-1.905) 6(2.625,-0.635) 7(2.625,0.635) 8(2.625,1.905)
  silkscreen extent -2.75,2.6 -2.5,2.85, body extent -3,-2.45 3,2.45, height 1.63